# Altium PCB iMX53_BB_PCB_V1I1.PcbDoc (part 4 of 9)
Units mm, origin at the board's own origin, x right, y up, seen from the top; angles counter-clockwise.
Board outline 165 x 100.5 mm, 6 copper layers (Top, GND, SignalH, SignalV, Power, Bottom); 582 components, 590 nets, 2473 pads, 1817 vias.
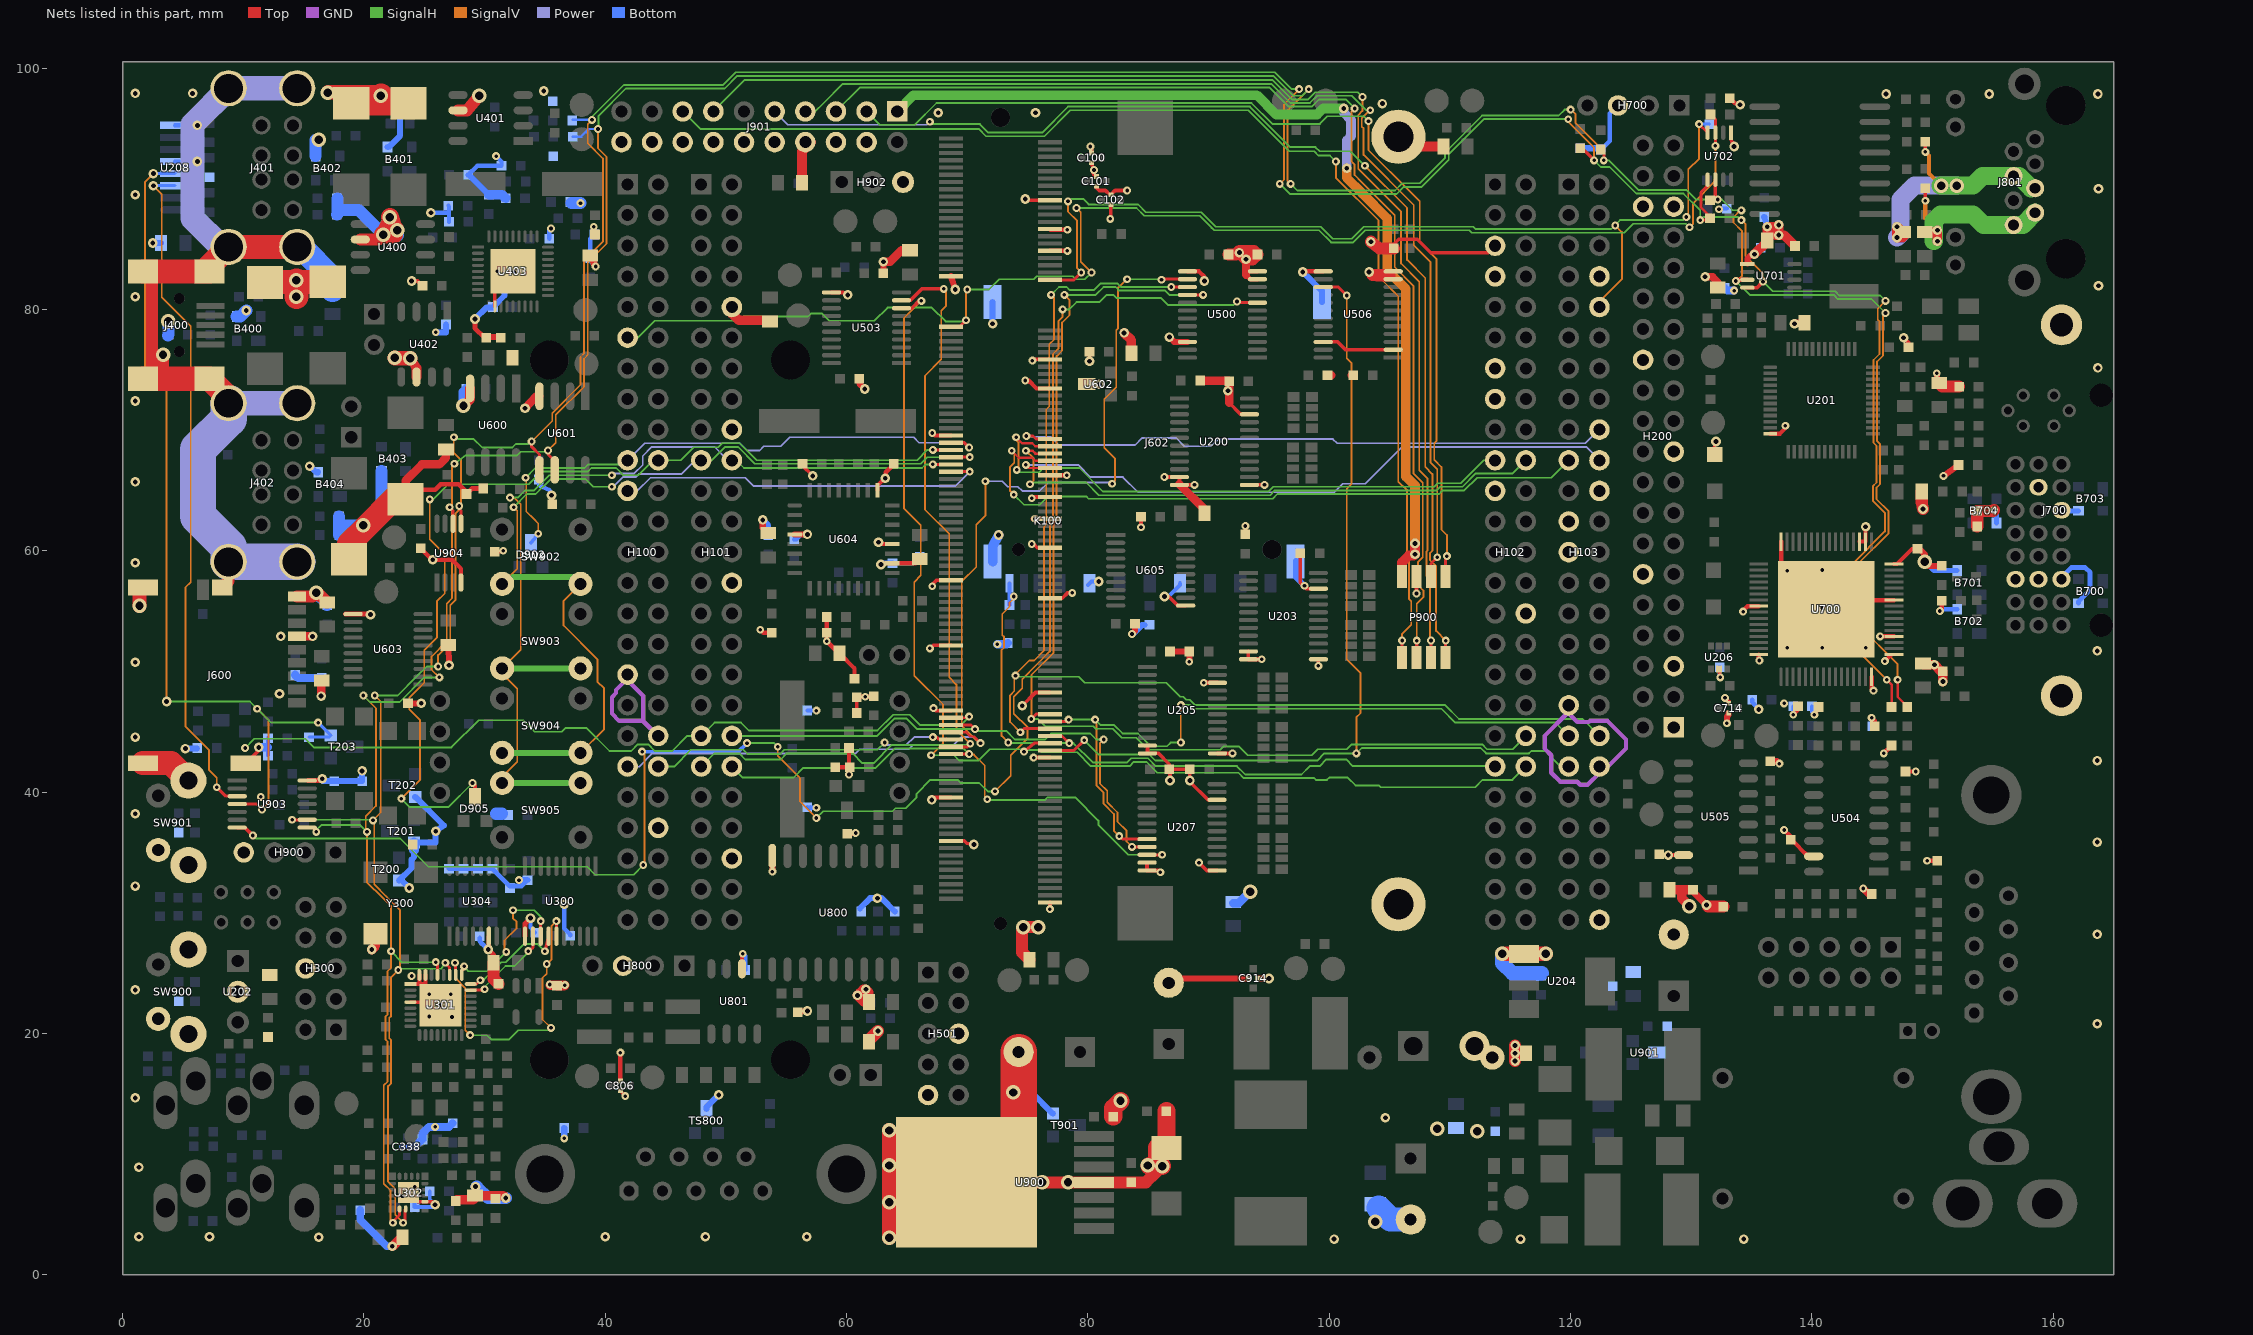
[diagram p8: the nets of this part, all layers, seen from the top]

## Via types
v1: diameter 0.65, hole 0.3, Top to Bottom, tented both sides, 1294 vias
v2: diameter 0.8, hole 0.4, Top to Bottom, tented both sides, 303 vias
v3: diameter 1.2, hole 0.7, Top to Bottom, tented both sides, 213 vias
v4: diameter 0.65, hole 0.3, Top to Bottom, 4 vias
v5: diameter 1.2, hole 0.7, Top to Bottom, 1 vias
v6: diameter 1.27, hole 0.711, Top to Bottom, tented both sides, 1 vias
v7: diameter 0.8, hole 0.4, Top to Bottom, 1 vias

## Nets (pads, with @x,y where several pads share a name; then routed paths per layer and width w, separated by ;. In a path a pad name is that pad's centre, name@x,y a point inside that pad or via, vN(x,y) a via of type N, cw(c..) or ccw(c..) an arc to the next point about the centre after c; other vN are vias at no path point) (continued)
GND: B400.3 B401.3 B402.3 B403.3 B404.3 B700.3 B701.3 B702.3 B703.3 B704.3 B900.2 C100.2 C100.4 C101.2 C101.4 C102.2 C102.4 C103.1 C104.1 C105.1 C106.1 C107.1 C108.1 C109.1 C110.1 C111.1 C200.1 C206.1 C207.1 C208.1 C209.1 C210.1 C211.1 C212.1 C213.1 C214.1 C215.1 C216.1 C217.1 C218.1 C219.1 C220.1 C221.1 C222.2 C224.1 C225.1 C226.1 C300.1 C301.1 C305.1 C312.1 C313.1 C314.1 C315.1 C323.1 C324.1 C325.1 C326.1 C327.1 C328.1 C331.1 C333.1 C334.1 C337.1 C338.2 C338.4 C340.1 C400.2 C401.2 C403.1 C404.2 C405.2 C406.2 C407.2 C408.1 C409.1 C410.1 C411.1 C412.1 C413.1 C414.1 C415.1 C417.1 C419.1 C420.1 C421.1 C422.1 C423.1 C424.1 C508.1 C509.1 C512.1 C513.1 C514.1 C515.1 C520.1 C521.1 C522.1 C523.1 C524.1 C525.1 C526.1 C527.1 C600.1 C601.1 C602.1 C603.1 C604.1 C605.1 C606.1 C607.1 C608.1 C609.1 C610.1 C611.1 C612.1 C613.1 C614.1 C615.1 C616.1 C622.1 C623.1 C624.1 C625.1 C626.1 C627.1 C628.1 C629.1 C630.1 C631.1 C632.1 C633.1 C634.1 C635.1 C636.1 C637.1 C700.1 C701.1 C702.1 C703.1 C704.1 C705.1 C706.1 C707.1 C708.1 C709.1 C710.1 C711.1 C712.1 C713.1 C714.2 C714.4 C715.1 C800.1 C801.1 C802.1 C803.1 C804.1 C806.2 C806.4 C807.1 C808.2 C809.1 C900.2 C901.2 C902.2 C903.2 C904.1 C905.1 C906.2 C907.1 C908.2 C909.1 C910.1 C911.1 C912.1 C913.1 C914.2 C914.4 C917.2 C920.2 C923.2 C924.1 C925.1 C926.1 C927.1 C928.1 D903.2 H100.33 H100.38 H100.44 H101.10 H101.18 H101.28 H101.46 H102.5 H102.7 H102.13 H102.15 H102.21 H102.30 H103.8 H103.22 H103.23 H103.25 H103.35 H103.40 H103.50 H200.1 H200.5 H200.12 H200.19 H200.26 H200.35 H200.36 H300.6 H501.6 H501.9 H700.3 H800.3 H900.4 H902.3 J400.6 J400.7 J400.8 J400.9 J401.9 J401.10 J401.11 J401.12 J402.9 J402.10 J402.11 J402.12 J600.6 J600.9 J600.11 J600.12 J600.13 J600.14 J602.4 J602.7 J602.12 J602.13 J602.14 J602.15 J700.3 J700.11 J700.15 J700.19 J700.22 J700.25 J700.26 J901.4 J901.6 J901.8 J901.10 J901.12 J901.14 J901.16 J901.18 J901.20 K100.18 K100.26 K100.32 K100.39 K100.50 K100.58 K100.71 K100.82 K100.88 K100.94 K100.102 K100.111 K100.116 K100.129 K100.142 K100.147 K100.160 K100.171 K100.183 K100.200 L203.1 L309.1 L401.1 L404.1 L405.1 L408.1 L409.1 L508.1 L509.1 L801.1 L908.1 P900.7 pad.0 pad.1 R212.2 R315.1 R316.1 R317.1 R322.1 R411.2 R412.2 R413.2 R415.1 R418.2 R419.2 R608.2 R609.2 R610.2 R611.2 R612.2 R617.1 R618.1 R706.1 R724.2 R725.2 R726.2 R727.2 R728.2 R809.2 R810.2 R912.1 SW900.2 SW900.3 SW900.4 SW901.2 SW901.3 SW901.4 T200.2 T201.2 T202.2 T901.2 TS800.3 U200.11 U200.12 U200.13 U200.22 U201.12 U202.2 U203.11 U203.12 U203.13 U203.22 U204.1 U205.11 U205.12 U205.13 U205.22 U206.2 U207.11 U207.12 U207.13 U207.22 U208.5 U208.8 U300.11 U301.1 U301.4 U301.31 U301.32 U301.33 U302.12 U302.21 U304.6 U400.6 U401.6 U402.6 U403.11 U403.37 U500.11 U500.12 U500.13 U500.22 U503.11 U504.15 U505.15 U506.2 U506.11 U506.12 U506.13 U506.22 U600.4 U601.4 U602.3 U603.11 U604.4 U604.18 U604.20 U604.25 U605.11 U700.16 U700.17 U700.20 U700.26 U700.32 U700.34 U700.35 U700.48 U700.56 U700.64 U700.65 U701.1 U702.1 U800.9 U801.2 U900.4 U900.8 U901.3 U903.14 U904.4 Y300.2 | length 740.3
  Top w0.3: J600.12@10.2,42.39 10.24,42.39 11.2,43.35 v2(11.287,43.697) ; v2@16.45,40.95 v2(16.55,41.1) ; U302.21@23.7,6.8 24.45,6.05 U302.12@25.05,6.05 25.65,6.05 v2(25.9,5.8) ; U301.4@23.85,22.588 U301.33@24.938,22.588 ; U301.1@23.85,24.088 U301.33@25.088,24.088 ; 24.6,24.088 U301.32@24.6,24.85 ; U301.33@25.1,23.85 U301.31@25.1,24.85 ; R609.2@30.85,59.9 31.45,59.9 v4(31.55,60) ; U403.11@30.85,80.25 30.85,81.65 U403.37@32.35,83.15 ; v1(39.05,86.85) 39.2,86.2 R411.2@39.15,86.2 ; C806.2@41.25,15.25 v1(41.65,14.8) ; C631.1@56.4,67.2 C631.1@56.35,67.2 56.35,67.05 v2(57.2,66.2) ; C629.1@58.35,53.2 C629.1@58.4,53.15 ; C608.1@59.35,51.5 C608.1@59.4,51.5 C608.1@59.65,51.25 ; C614.1@60.85,46.55 C616.1@60.85,47.85 C616.1@60.9,47.9 ; C623.1@62.2,47.9 C623.1@62.25,47.95 ; C630.1@63.823,67.07 63.823,67.123 C630.1@63.9,67.2 ; v1(66.9,51.9) 67.2,52.15 K100.129@68.65,52.15 ; v2(67.05,39.35) 67.15,39.55 K100.171@68.65,39.55 ; v1(67.1,57.05) 67.1,57.2 67.45,57.55 K100.111@68.65,57.55 ; v1(67.2,46.95) 67.4,46.75 K100.147@68.65,46.75 ; K100.183@68.65,35.95 69.75,35.95 69.95,35.75 v2(70.55,35.65) ; v2(74.55,47.15) 75.65,48.25 K100.142@76.85,48.25 ; v2(74.8,89.15) 75.05,89.05 K100.18@76.85,89.05 ; v1(75.35,60.55) 75.45,60.6 75.8,60.25 K100.102@76.85,60.25 ; v1@75.5,75.85 K100.50@76.85,75.85 ; K100.116@76.846,56.07 76.85,56.07 77.87,56.07 78.3,56.5 v1(78.7,56.5) ; C100.4@80.3,92.15 80.3,92.05 v1(80.5,91.55) 80.412,91.338 80.5,91.25 80.471,91.179 80.65,91 C101.2@80.7,91 ; C101.4@80.7,90.2 80.7,90.1 80.95,89.85 81.45,89.85 81.8,89.5 C102.2@81.9,89.5 82.25,89.85 v1(83.25,89.85) ; v1(81.85,87.5) 81.9,87.4 81.9,87.5 81.9,87.65 C102.4@81.9,88.7 ; U207.11@84.9,34.15 U207.12@84.9,33.5 85.85,33.5 v1(86,33.35) ; U205.11@84.934,43.852 U205.12@84.934,43.202 85.848,43.202 86.75,42.3 C221.1@86.75,41.95 ; v2(86.35,56.2) 86.7,56.2 87.45,55.45 U605.11@88.1,55.45 ; v2(86.8,40.95) C221.1@86.8,41.9 ; v1(89.2,34.15) 89.85,33.5 U207.13@90.7,33.5 ; U207.22@90.7,39.35 89.95,39.35 88.45,40.85 v2(88.45,40.95) C220.1@88.45,41.9 C221.1@86.8,41.9 ; C207.1@91.65,74.1 C207.1@91.7,74.05 ; 91.7,72.25 92.648,71.302 U200.22@93.384,71.302 ; U203.12@93.3,51 U203.11@93.3,51.65 ; U200.13@93.384,65.452 v1(94.636,65.452) ; C213.1@97.6,59.8 97.6,57.35 97.9,57.05 98.1,56.85 U203.22@99.1,56.85 ; v1(99.1,50.45) U203.13@99.1,51 ; U506.22@99.6,77.3 100.698,77.3 101.348,76.65 U506.2@105.3,76.65 ; C415.1@105.35,85.05 105.35,85.4 105.75,85.8 107.3,85.8 108.4,84.7 113.18,84.7 H102.5@113.75,85.27 ; v1(107.234,56.45) P900.7@107.234,57.852 ; C222.2@131.95,67.974 131.95,68.05 131.78,68.22 v2(132.05,69.05) ; U206.2@132.3,50.2 v1(132.4,49.5) ; U702.1@133.27,94.218 133.343,93.88 133.488,93.787 v2(133.55,93.5) ; v4(138.45,46.4) 138.85,46.8 R727.2@138.85,47.1 ; v4(140.2,46.4) 140.55,46.9 R724.2@140.55,47.05 ; C221.1@86.75,41.95 C221.1@86.8,41.9 ; C221.1@86.75,41.95 C221.1@86.75,41.9 C221.1@86.8,41.9
  Top w0.35: v2(23.95,82.35) 24.45,82.35 C412.1@24.85,81.95 ; C911.1@24.7,60.2 v2@25.65,59.25 ; v2(25.7,59.25) 27.3,59.25 28.041,58.509 U904.4@28.041,57.362 ; C325.1@27.6,6.1 28.75,6.1 28.85,6.2 C326.1@29.2,6.55 30.65,6.55 C327.1@30.9,6.3 ; v2(35.55,64.6) 35.55,64.35 35.711,63.961 R612.2@35.6,63.85 ; C806.4@41.25,16.05 v1(41.25,18.4) ; U801.2@51.33,25.35 51.33,26.53 v1(51.4,26.6) ; v1(52.85,53.45) 53.1,53.2 R618.1@53.8,53.2 ; v2@57.267,66.275 v2@57.35,66.2 ; C629.1@58.35,53.2 C628.1@58.35,54.5 ; C629.1@58.4,53.15 v1(58.35,52.5) C608.1@59.35,51.5 ; U503.11@58.75,81.4 59.7,81.4 v2(60.1,81.2) ; C615.1@59.05,42.05 60.25,42.05 60.2,42.1 C622.1@60.2,43.65 ; C608.1@59.4,51.5 60.65,50.25 R617.1@60.65,49.4 ; R810.2@60.05,36.55 60.7,36.55 v4(60.75,36.6) ; C616.1@60.9,47.9 v1(61.55,47.9) C623.1@62.2,47.9 ; U604.25@62.55,65 62.55,65.4 v2(63.2,66) 63.25,66.497 C630.1@63.823,67.07 ; v2@62.748,60.55 U604.20@63.8,60.55 ; v2(62.85,58.85) 62.95,58.95 U604.18@63.8,58.95 65.7,58.95 C611.1@66.05,59.3 ; v1(67.1,69.75) 67.3,69.55 K100.71@68.65,69.55 ; v1@74.85,74.122 v1@74.86,74.122 ; v1@75.117,74.08 75.117,73.996 75.201,73.996 75.243,73.954 75.58,73.618 75.748,73.45 K100.58@76.85,73.45 ; v1@75.398,62.65 v1(75.6,62.65) K100.94@76.85,62.65 ; v1@75.45,64.45 K100.88@76.85,64.45 ; v1(75.5,42.85) K100.160@76.85,42.85 ; v1(76.85,30.3) K100.200@76.85,30.85 ; K100.82@76.85,66.25 v1(78.25,66.25) ; K100.32@76.85,84.85 v1(78.3,84.85) ; K100.26@76.9,86.6 v1(78.3,86.6) ; U602.3@79.9,73.8 v2(80.95,73.8) ; v2(80.125,75.7) C606.1@80.125,76.475 ; C100.2@80.3,92.95 v1@80.3,93.422 ; v1(84.4,61.948) C625.1@84.4,62.8 ; v1(86.332,66.102) U200.11@87.584,66.102 87.584,65.5 U200.12@87.584,65.452 87.632,65.452 v1(88.836,65.452) ; U500.13@88.25,83.15 89.2,83.15 89.65,82.7 v2(89.65,82.35) ; v1(89.6,49.05) U205.22@90.734,49.052 ; U205.13@90.734,43.202 v1(91.986,43.202) ; C214.1@93.05,61.35 v1(93.05,62.05) ; 93.1,82.85 93.45,82.5 U500.11@94.05,82.5 ; 93.1,83.45 93.4,83.15 U500.12@94.05,83.15 ; U203.12@93.3,51 v1(94.4,51) ; v2@97.85,83.15 U506.13@99.5,83.15 ; U506.22@99.5,77.3 U506.22@99.6,77.3 ; v2(103.3,83.1) 103.9,82.5 U506.11@105.3,82.5 ; v2@103.35,83.15 U506.12@105.3,83.15 ; C515.1@127.35,34.85 127.43,34.77 v2(128.098,34.77) U505.15@129.35,34.77 ; v2(131.26,30.642) v2@131.402,30.5 ; v1(132.8,47.8) C714.4@133.1,47.5 ; C710.1@133.2,97.5 133.65,97.05 v2(134.05,96.95) ; v1@134.3,55.05 134.65,55.4 U700.56@135.6,55.4 ; v1@135.6,50.95 U700.64@135.6,51.4 ; U201.12@136.55,69.7 137.35,69.7 137.9,70.25 v1(137.8,70.35) ; U700.48@137.45,60.75 137.45,58.9 137.975,58.375 140.975,55.375 U700.65@141.2,55.15 ; v1(137.7,36.85) 138.25,36.3 C514.1@138.25,36.05 138.3,36.05 U504.15@139.68,34.67 ; 139.418,34.932 U504.15@139.68,34.67 ; U504.15@140.15,34.67 U504.15@139.68,34.67 ; U700.65@141.11,55.24 141.77,55.9 U700.26@146.8,55.9 ; U700.35@143.95,60.75 U700.34@144.45,60.75 v2(144.45,61.977) ; v1(144.95,46.15) 145.2,45.9 R725.2@145.2,45.45 ; U700.16@144.95,49.55 144.95,48.55 v1(145.1,48.4) v1@145.15,48.35 ; v1(145.65,52.9) U700.20@146.8,52.9 ; v1(146.05,50.85) U700.17@146.566,51.366 ; U700.32@146.8,58.9 147.05,58.9 148.3,60.15 C702.1@148.9,60.15 ; v2(147.6,77.65) 148,77.25 L203.1@148,76.85 ; C521.1@147.75,41.7 v1(148.602,41.7) ; v1(149.548,34.3) L509.1@150.4,34.3 ; v1@150.75,54.998 150.75,55 C704.1@150.75,55.85
  Top w0.4: U903.14@15.35,40.95 v2@16.45,40.95 ; U603.11@18.45,54.75 U603.11@19.1,54.75 v2@20.55,54.75 ; C407.2@23.45,64.275 24.225,65.05 25.9,65.05 26.35,65.5 27.85,65.5 28.5,64.85 R608.2@28.5,64.7 28.95,65.15 R610.2@29.9,65.15 ; v2(29.2,79.2) 29.2,78.45 30,77.65 R611.2@30.15,77.65 ; U304.6@30.35,28.05 30.35,26.95 30.35,26.9 30.75,26.5 C333.1@30.75,25.85 ; U300.11@33.35,28.05 33.35,29.1 v2(33.8,29.55) ; v1(145.95,43.2) R706.1@146.6,43.85
  Top w0.5: C602.1@23.65,47.35 v2(24.75,47.35) ; C634.1@27,52.2 v2(27.05,50.5) ; R611.2@30.2,77.7 C421.1@31.35,77.7 ; v2(53.05,62.55) 53.05,61.9 C607.1@53.5,61.45 ; U800.9@53.84,34.7 v1(53.85,33.4) ; U604.4@55.7,61.35 v2(56.752,61.35) ; R809.2@55.95,21.75 v2(56.75,21.85) ; C513.1@61.05,74.25 61.05,73.85 v2(61.5,73.4) ; C512.1@63.05,83 v2(63.05,83.95) ; K100.39@68.65,82.75 v2(69,81.65) ; v1(83.65,53.1) 83.9,53.333 C624.1@83.9,53.95 ; C923.2@86.7,24.19 87.06,24.55 C914.2@93.3,24.55 ; v2(86.75,77.7) 87.15,77.3 U500.22@88.25,77.3 ; C219.1@86.8,51.65 C218.1@88.4,51.65 v1(88.4,50.798) ; C914.4@94.1,24.55 v2(95,24.55) v2@95.05,24.55 ; v1(132.95,45.7) 132.95,46.25 133.1,46.4 C714.2@133.1,46.55 ; U701.1@134.65,83.8 134.65,84.2 134.9,84.45 v2@135.1,84.45 ; v2(135.231,84.569) v2@135.231,84.581 ; C523.1@136.55,42.55 137.1,42.55 v1(137.3,42.35) ; v2(138.55,78.8) 138.65,78.9 C105.1@139.4,78.9 ; C702.1@148.9,60.15 149.35,59.7 v3(149.35,59.1) 149.7,58.75 C705.1@150.75,58.75 ; v1(150.35,74.7) 150.322,73.908 150.32,73.849 C200.1@150.55,73.9 ; C200.1@150.55,73.85 C200.1@150.8,73.6 ; v1(150.9,66.2) 152.1,67.05 C217.1@152.15,67.1
  Top w0.6: C410.1@38.75,84.45 v1(39.2,83.55) ; C522.1@130.15,31.9 130.15,31.752 v2(131.26,30.642) ; v1(144.25,32) 144.7,31.55 C520.1@144.95,31.55
  Top w0.65: v1(35.4,24.05) v1@35.45,24 ; v2(131.15,82.7) 131.75,82.7 132.2,82.25 C925.1@132.2,81.8
  Top w0.7: J600.6@14.45,52.9 v2(15.75,52.9) ; v2(16.45,47.95) C636.1@16.45,49.2 ; C407.2@23.45,64.275 23.45,65.8 24.8,67.15 26.25,67.15 26.8,67.7 C633.1@26.8,68.4 ; v2(33.35,71.8) 34.3,72.8 U601.4@34.545,72.8 ; v2(63.05,83.95) 63.6,83.95 64.55,84.9 C524.1@65.25,84.9 ; U200.12@87.584,65.5 87.608,65.476 87.632,65.452 89.65,63.434 C635.1@89.65,63.1 ; C208.1@89.3,74.1 C207.1@91.65,74.1 ; 91.7,72.25 91.7,73.25 C207.1@91.7,74.05 ; 93.1,82.85 93.1,83.15 93.1,83.45 v2(93.1,84.15) ; C526.1@99.85,74.55 C526.1@100.15,74.55 ; C527.1@101.85,74.55 C527.1@102,74.55
  Top w0.8: v2(20.65,26.95) 20.95,27.25 Y300.2@20.95,28.26 ; v2(22.35,2.35) 23.1,3.1 C340.1@23.2,3.1 ; v3(23.85,75.95) 24.36,75.14 U402.6@24.36,74.4 ; C325.1@27.6,6.1 27.7,6.2 28.85,6.2 29.05,6.2 29.3,6.45 29.4,6.55 30.65,6.55 31.55,6.55 v2(31.75,6.35) ; v3(28.25,72) 28.795,72.545 U600.4@28.795,73.45 ; v1@35.45,24 v1(36.65,24) 36.6,23.95 L309.1@36,23.95 ; H101.10@50.49,80.19 50.49,79.66 51.05,79.1 53.55,79.1 C106.1@53.65,79 ; C110.1@56.3,90.5 56.3,93.08 56.83,93.61 J901.8@57.08,93.86 ; v2(83,78.05) 83.6,77.45 C108.1@83.6,76.35 ; pad.0@105.734,94.302 106.536,93.5 C107.1@109.45,93.5 ; C525.1@128.2,31.9 129.2,31.9 ; v3(129.85,30.55) 129.2,31.2 129.2,31.9 ; C522.1@130.15,31.9 129.2,31.9 ; v2(135.231,84.569) 136.3,85.637 C103.1@136.3,85.7 v2(136.3,86.85) ; C808.2@138.6,85.25 137.7,86.15 v2(137.25,86.15) ; C715.1@149.15,50.65 149.175,50.625 149.25,50.55 v2(150.15,50.55) 150.7,50 C703.1@150.85,50 v2(150.85,49.15) ; v2(136.3,86.85) 136.7,86.45 136.875,86.275 137,86.15 v2(137.25,86.15) ; v2(136.3,86.85) 137.1,86.85 v2(137.25,87) v2(137.25,86.15) ; v2(60.9,23.15) 61.1,23.35 61.4,23.65 v2(61.6,23.65) 61.85,23.4 C807.1@61.85,22.6 61.45,22.6 v2(60.9,23.15)
  Top w1: J400.8@1.693,83.146 2.45,82.389 2.45,76.25 J400.9@2.45,74.9 ; 3.35,74.9 v3(3.35,76.25) ; J600.11@8.25,56.95 8.79,57.49 J402.9@8.79,59.08 ; J600.9@14.45,56.2 15.75,56.2 v3(16.05,56.5) 16.15,56.5 C637.1@16.95,55.7 ; U400.6@19.7,85.79 21.19,85.79 v3(21.6,86.2) 21.6,86.55 21.834,87.019 v3(22.15,87.65) ; U401.6@27.8,96.49 28.54,96.49 v3(29.55,97.7) ; C333.1@30.75,25.85 30.75,24.5 C305.1@31.15,24.1 ; C926.1@61.85,19.3 61.85,19.45 v2(62.6,20.2) ; U900.8@69.927,7.65 v3(76.2,7.65) v3(78.35,7.65) U900.4@80.496,7.65 84.8,7.65 85.575,8.425 v3(86.15,9) ; C111.1@75.15,26.1 74.55,26.7 74.55,28.6 v3(74.65,28.8) v3(75.9,28.8) ; C508.1@91.65,84.55 92.25,84.55 92.475,84.775 v2@92.55,84.85 ; v2(103.45,85.6) 104.15,85.05 C415.1@105.35,85.05 ; v2@103.6,82.85 105,82.85 ; v2(115.4,17.7) v2(115.4,18.35) ; v2(115.4,19) v2(115.4,18.35) ; L908.1@116.3,18.35 v2(115.4,18.35) ; v2@131.402,30.5 L508.1@132.65,30.5 ; C109.1@149.1,64.9 149.1,64 v2(149.2,63.45) ; C200.1@150.8,73.6 C216.1@152.2,73.6 ; C708.1@153.7,62 C709.1@153.7,63.3 155.033,63.3 v1(155.09,63.357) ; v2@92.55,84.85 93.1,84.85 93.75,84.85 C509.1@94.05,84.55 93.65,84.15 v2(93.1,84.15) v2(92.55,84.7) v2@92.55,84.85
  Top w1.2: v3(1.4,55.45) 1.4,56.65 J600.13@1.7,56.95 ; v3@17.05,98 C404.2@18.025,98 ; C404.2@18.95,97.075 C404.2@18.025,98 ; v3(21.4,97.7) 20.85,98 18.95,98 C404.2@18.025,98 ; v3(22.55,76) 22.55,75.95 v3(23.85,75.95) ; v3(63.55,3.05) v3(63.55,6) 63.55,7.65 v3(63.55,9.05) v3(63.55,11.95) ; v3@114.34,26.59 114.35,26.59 U204.1@116.15,26.59 ; U204.1@116.15,26.61 117.95,26.61 v3@117.96,26.61
  Top w1.5: v3(21.6,86.2) v3@22.5,86.2 ; v3(22.15,87.65) 22.5,86.6 v3@22.605,86.582 ; C904.1@82.1,13.1 82.1,13.8 v3(82.7,14.4) ; v3@85.1,9 v3(86.15,9) ; D903.2@85.709,9.659 D903.2@85.709,10.35 ; D903.2@85.709,10.527 85.709,10.486 D903.2@85.709,10.35 ; C920.2@86.5,13.55 86.5,11.141 86.173,10.813 D903.2@85.709,10.35
  Top w2: J400.9@1.693,74.246 J400.7@7.193,74.246 J402.10@8.79,72.649 ; J400.8@1.693,83.146 J400.6@7.193,83.146 7.193,83.583 J401.9@8.79,85.18 J401.11@14.47,85.18 ; J600.14@1.7,42.39 4.01,42.39 SW901.3@5.45,40.95 ; C401.2@11.75,82.275 11.8,82.275 v3@14.4,82.275 ; v3(14.4,81.05) v3@14.4,82.275 ; v3(14.4,82.4) v3@14.4,82.275 ; C400.2@16.85,82.275 v3@14.4,82.275 ; C406.2@18.75,59.275 18.75,60.55 20.125,61.925 22.475,64.275 C407.2@23.45,64.275 ; C404.2@18.95,97.075 21.3,97.075 ; v3(21.4,97.7) 21.36,97.449 21.3,97.075 ; C405.2@23.7,97.075 21.4,97.075 21.3,97.075
  Top w3: U900.8@69.927,7.65 74.26,11.983 74.26,15.1 C902.2@74.26,18.45
  GND w0.35: H100.33@41.85,49.73 H100.33@41.85,49.4 ; H100.38@44.373,44.623 44.368,44.628 43.15,45.846 43.15,45.897 ; H100.38@44.399,44.649 44.394,44.654 43.15,45.897 ; H103.35@119.85,47.19 H103.35@119.85,46.65 ; H100.33@41.85,49.4 41.85,49.262 43.15,47.962 43.15,45.897 ; H100.33@41.85,49.4 40.9,48.45 40.9,48.2 40.55,47.85 40.55,46.5 41.15,45.9 43.147,45.9 43.15,45.897 ; H103.35@119.85,46.65 119.85,46.498 120.548,45.8 121.502,45.8 121.602,45.9 123.05,45.9 124.6,44.35 124.6,43.6 123.11,42.11 H103.40@122.39,42.11 122.39,41.59 121.4,40.6 120.8,40.6 120.55,40.85 119.15,40.85 118.4,41.6 118.4,43.05 117.85,43.6 117.85,44.65 H103.35@119.85,46.65
  Power w2: J402.10@8.79,72.22 J402.12@14.47,72.22 ; J401.9@8.79,85.18 8.17,85.18 5.8,87.55 5.8,92.25 5.8,95.25 5.8,95.33 5.96,95.49 J401.10@8.79,98.32 J401.12@14.47,98.32
  Power w3: J402.10@8.79,72.22 8.79,70.94 6.25,68.4 6.25,62.85 8.79,60.31 J402.9@8.79,59.08 J402.11@14.47,59.08
  Bottom w0.3: R315.1@25.45,6.9 25.45,6.25 v2(25.9,5.8) ; v2(33.8,29.55) 33.8,28.75 R322.1@34.2,28.35 ; v4(138.45,46.4) R726.2@138.45,47.1 ; R728.2@140,47.1 140,46.6 v4(140.2,46.4)
  Bottom w0.35: U208.5@4.35,92.25 v2(6.2,92.25) ; U208.8@4.35,95.25 v2(6.2,95.25) ; v2(11.287,43.697) v2@11.374,43.61 ; C906.2@12.05,43.05 C905.1@12.05,44.45 ; v2@16.552,40.95 v2@16.602,40.9 ; v1(24.2,7.3) R316.1@24.2,5.6 v2@25.9,5.6 ; v2(25.55,88) 27.05,88 ; C423.1@27,88.6 27.05,88.55 27.05,88 ; C420.1@27.05,87.25 27.05,88 ; C417.1@28.65,91.15 29.4,91.9 C411.1@31.4,91.9 31.4,92.25 v1(30.95,92.7) ; C414.1@31.6,82.3 C414.1@31.65,82.35 ; v1@32.4,83.15 v1(32.45,83.1) ; C601.1@34.5,65.9 34.5,65.407 35.378,65.031 v2(35.55,64.6) ; R413.2@35.35,85.85 35.35,86.5 v1(35.5,86.7) ; v2(36.6,30.7) 36.6,28.7 37.1,28.2 C301.1@37.1,28.1 ; C424.1@37.1,88.85 C424.1@37.153,88.847 ; C424.1@37.1,88.9 C424.1@37.153,88.847 ; C424.1@37.2,88.8 C424.1@37.153,88.847 ; v1(39.05,86.85) 39.2,86.2 C408.1@39.1,86.2 38.75,85.85 C409.1@38.75,84.25 38.75,84 v1(39.2,83.55) ; v1(51.4,26.6) 51.6,26.4 C801.1@51.6,25.25 ; C632.1@55.65,60.95 55.85,60.95 56.25,61.35 v2(56.752,61.35) ; C802.1@56.75,38.75 56.8,38.7 v1(57.5,38.7) C802.1@57,38.75 ; C803.1@56.75,46.75 v1(57.5,46.75) ; v2(62.85,58.85) 62.798,59 62.85,59 C610.1@63.8,59 ; C610.1@63.8,58.95 65.5,58.95 C612.1@66.05,59.5 ; J602.7@80,57.15 80.138,57.288 80.3,57.45 v2(80.9,57.45) v2@80.95,57.45 ; v2(86.35,56.2) 86.675,56.2 87.625,57.15 J602.4@87.625,57.3 ; J602.12@97.218,59.029 J602.12@97.25,58.997 ; C712.1@122.4,93.35 C712.1@122.5,93.25 122.55,93.25 123.25,93.95 123.25,96.22 H700.3@123.93,96.9 ; v1(132.3,88.3) 132.4,88.35 C711.1@132.95,88.35 ; C215.1@132.35,50.35 132.35,49.55 v1(132.4,49.5) ; C700.1@135.05,47.65 135.05,47.45 v2(135.6,46.85) ; v1@144.9,46.15 144.925,46.125 145.1,45.95 145.1,45.75 145,45.65 C701.1@145,45.45
  Bottom w0.4: C338.2@23.15,10.6 C338.4@23.95,10.6 24.2,10.6 ; C312.1@27.05,33.65 C314.1@28.25,33.65 C315.1@30.65,33.65 32.1,32.2 32.85,32.2 33.05,32.2 33.2,32.35 C300.1@33.55,32.7 ; C324.1@29.6,27.9 29.6,27.65 v2(30.3,26.95) ; v3(149.35,59.1) 150.1,58.35 B701.3@152.05,58.35 ; v1(150.6,55) 150.75,55.15 B702.3@152.05,55.15 ; v1(155.09,63.357) 155.3,63.147 B704.3@155.3,62.3 ; J700.19@160.685,57.635 160.685,57.785 161.5,58.6 162.65,58.6 163.05,58.2 163.05,56.75 162.1,55.8 B700.3@162.1,55.65 ; J700.22@160.685,63.35 160.735,63.3 B703.3@162.1,63.3
  Bottom w0.5: v2(2.5,85.5) C226.1@3.2,85.5 ; v2(5.2,43.6) R212.2@6.15,43.6 ; v1(11.452,39.6) v1(11.452,39.6) ; v2(15.5,67) 16.05,66.5 B404.3@16.2,66.5 ; v2@16.602,40.9 C910.1@19.85,40.9 v2(19.85,41.752) ; v3(21.4,97.7) 23,96.1 23,94.4 22.05,93.45 B401.3@21.95,93.45 ; T200.2@22.9,32.65 23.95,33.7 23.95,34.4 24.15,34.6 T201.2@24.15,35.8 25.913,35.8 v2(25.95,36.75) 26.626,37.224 T202.2@24.25,39.6 ; T200.2@23.053,32.747 v2(23.75,32.05) ; v1(25.948,78.1) 26.8,78.1 C413.1@26.8,78.75 ; C417.1@28.65,91.15 28.7,91.15 R415.1@30.35,89.5 ; v2(29.2,79.2) 30.15,80.15 C422.1@30.7,80.15 ; C422.1@30.7,80.2 31.65,81.15 C414.1@31.65,82.35 31.65,83.15 ; v1(31.05,83.15) 31.65,83.15 ; R412.2@31.65,83.95 31.65,83.15 ; v1@32.4,83.15 31.65,83.15 ; v1(32.85,32.7) C300.1@33.55,32.7 ; v1(36.6,11.298) L801.1@36.6,12.15 ; TS800.3@48.4,13.75 48.4,13.9 v2(49.4,14.9) ; v2(53.05,62.55) 53.5,62.1 C609.1@53.5,61.3 ; C809.1@61.1,30.35 61.95,31.2 v2(62.55,31.2) 62.9,31.2 C800.1@64,30.1 ; v2(72.1,78.8) J602.15@72.1,80.6 ; R912.1@75.35,15.1 T901.2@77.1,13.35 ; v1@83.75,53.1 84.5,53.85 C626.1@84.7,53.85 ; J602.12@97.25,59.15 97.25,59.1 97.25,58.997 97.25,57.8 v1(97.95,57.1) ; v2(97.8,83.1) 99.4,81.5 J602.14@99.4,80.6 ; C713.1@120.8,93.35 C712.1@122.4,93.35 ; v2(135.231,84.569) 135.231,84.581 C707.1@135.75,85.1 ; C804.1@136.05,87.65 v2(136.3,86.85)
  Bottom w0.65: R317.1@19.7,5.35 19.7,4.55 21.9,2.35 v2(22.35,2.35) ; 24.2,10.6 C337.1@24.85,11.25 ; C337.1@24.85,11.2 C337.1@24.85,11.25 ; C328.1@27.35,12.55 27.05,12.25 v1(25.9,12.25) 25.4,12.25 24.85,11.7 C337.1@24.85,11.25 ; C706.1@132.75,81.8 133,81.55 v1(133.55,81.55)
  Bottom w0.7: v2(11.287,43.697) 12.047,43.697 ; C604.1@14.3,49.7 14.55,49.45 C605.1@16.5,49.45 ; v1(72.5,52.25) 73.25,52.25 C627.1@73.35,52.35 ; v3(73.8,15.1) R912.1@75.35,15.1 ; C924.1@92.05,30.8 92.5,30.8 v3(93.45,31.75)
  Bottom w0.8: 24.15,35.2 T201.2@24.15,35.8 T201.2@24.15,35.85 ; v3(28.25,72) 28.25,73.15 C600.1@28.5,73.4 ; R415.1@30.35,89.5 31.45,89.5 C419.1@31.75,89.2 ; J602.13@72.1,59.1 72.1,60.4 v2(72.6,61.3)
  Bottom w1: L401.1@3.75,77.85 L401.1@3.8,77.9 v3(3.8,79) ; B400.3@9.45,79.4 9.75,79.4 v2(10.25,79.9) ; B402.3@16,92.7 v3@16,94.05 ; v3(16.05,56.5) 16.95,55.6 C603.1@16.95,55.5 ; L404.1@17.75,87.85 17.8,87.9 17.8,88.25 ; L405.1@17.8,89.2 17.8,88.25 ; L409.1@17.95,61.3 17.95,62.1 ; L408.1@17.95,62.85 17.95,62.1 ; B403.3@21.45,66.6 21.45,63.6 v3(19.95,62.1) 17.95,62.1 ; v3(22.15,87.65) 21.834,87.019 21.6,86.55 v3(21.6,86.2) 19.55,88.25 17.8,88.25 ; v2@29.35,7.3 30.3,6.35 v2(31.75,6.35) ; 30.95,38.2 31.45,38.2 ; C424.1@37.2,88.8 v1(37.95,88.8)